# Altium PCB Goldstrike1_Rev01 - DLV.PcbDoc (part 2 of 3)
Units mm, origin at the board's own origin, x right, y up, seen from the top; angles counter-clockwise.
Board outline 170 x 260 mm, 4 copper layers (L1, L2, L3, L4), stack 1.577 mm thick; 674 components, 193 nets, 4474 pads, 0 vias.
Unrouted connection lines stored in the file: 3448.
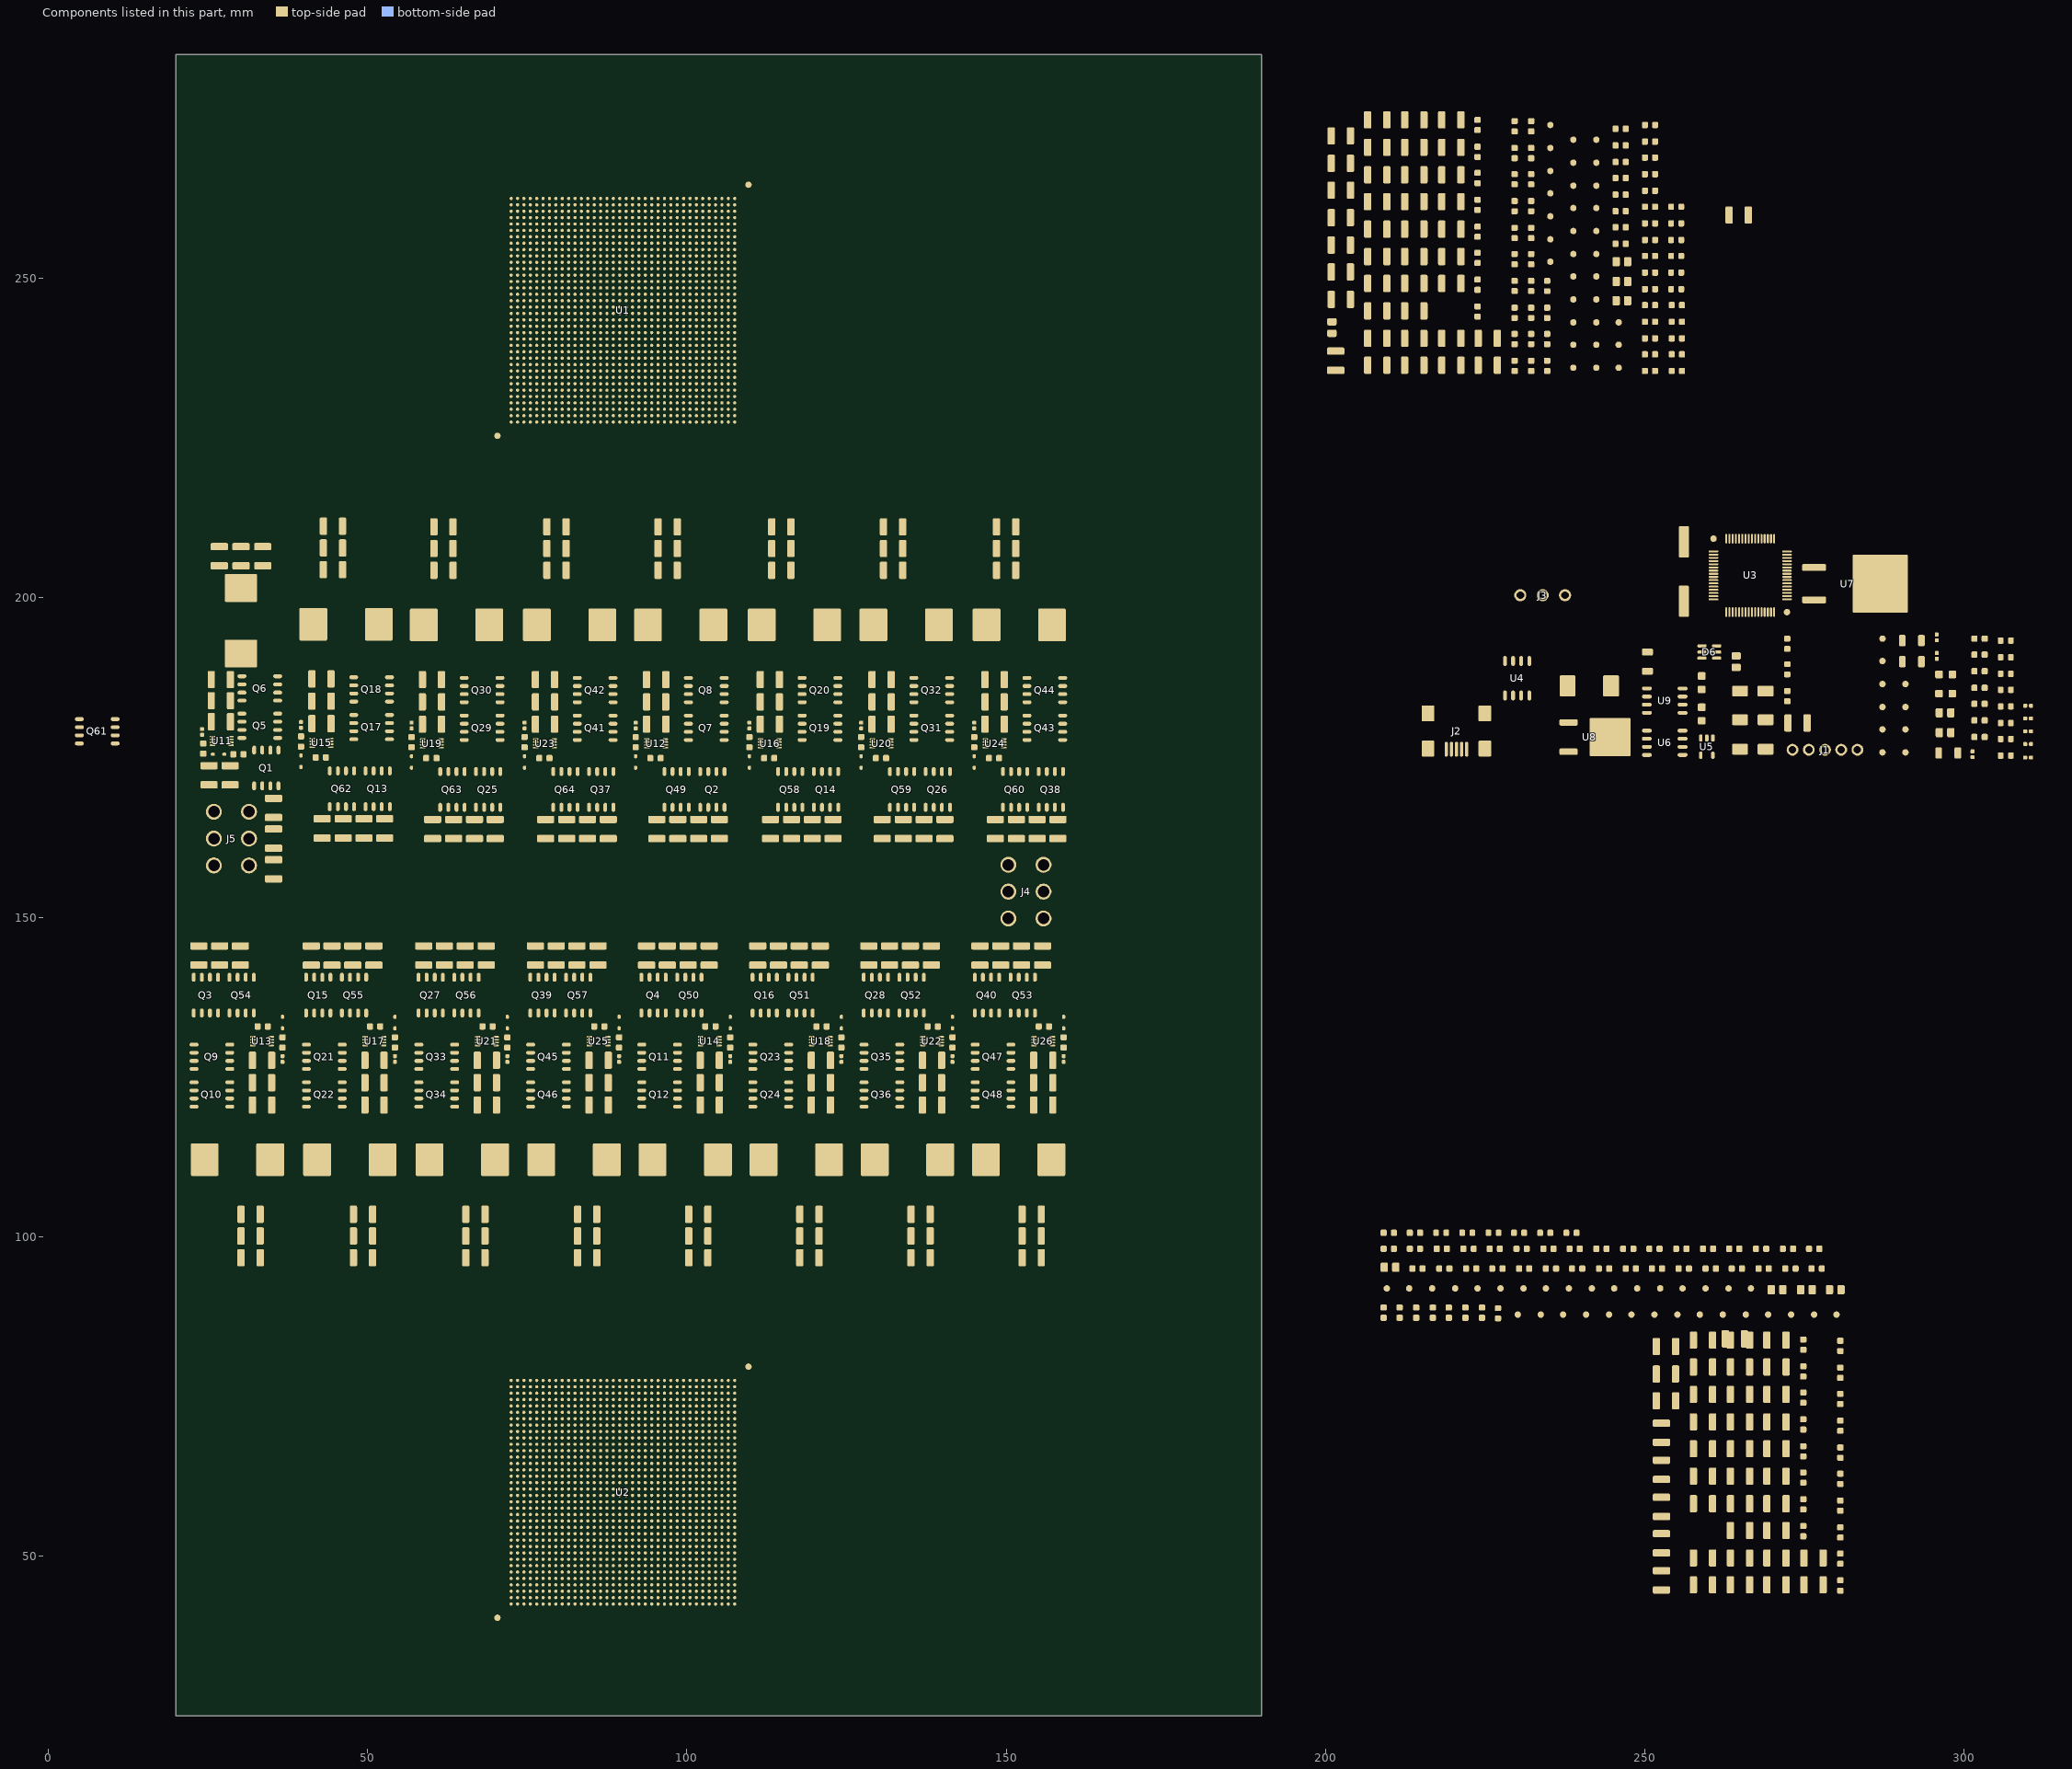
[diagram p2: the components of this part, seen from the top]

## Components (designator, comment, footprint, x,y, rotation, side; value= is the part's Value field where it differs from the comment) (continued)
Q10 "MOS_N_D1_S1S2S3G4D5D6D7D8" SMD_SOIC127P600X110-9AN 25.65,122.25 r180 top
Q11 "MOS_N_D1_S1S2S3G4D5D6D7D8" SMD_SOIC127P600X110-9AN 95.75,128.15 r180 top
Q12 "MOS_N_D1_S1S2S3G4D5D6D7D8" SMD_SOIC127P600X110-9AN 95.75,122.25 r180 top
Q13 "MOS_N_D1_S1S2S3G4D5D6D7D8" SMD_SOIC127P600X110-9AN 51.6,170.1 r270 top
Q14 "MOS_N_D1_S1S2S3G4D5D6D7D8" SMD_SOIC127P600X110-9AN 121.8,170 r270 top
Q15 "MOS_N_D1_S1S2S3G4D5D6D7D8" SMD_SOIC127P600X110-9AN 42.3,137.8 r90 top
Q16 "MOS_N_D1_S1S2S3G4D5D6D7D8" SMD_SOIC127P600X110-9AN 112.2,137.8 r90 top
Q17 "MOS_N_D1_S1S2S3G4D5D6D7D8" SMD_SOIC127P600X110-9AN 50.65,179.75 r0 top
Q18 "MOS_N_D1_S1S2S3G4D5D6D7D8" SMD_SOIC127P600X110-9AN 50.65,185.65 r0 top
Q19 "MOS_N_D1_S1S2S3G4D5D6D7D8" SMD_SOIC127P600X110-9AN 120.85,179.65 r0 top
Q20 "MOS_N_D1_S1S2S3G4D5D6D7D8" SMD_SOIC127P600X110-9AN 120.85,185.55 r0 top
Q21 "MOS_N_D1_S1S2S3G4D5D6D7D8" SMD_SOIC127P600X110-9AN 43.25,128.15 r180 top
Q22 "MOS_N_D1_S1S2S3G4D5D6D7D8" SMD_SOIC127P600X110-9AN 43.25,122.25 r180 top
Q23 "MOS_N_D1_S1S2S3G4D5D6D7D8" SMD_SOIC127P600X110-9AN 113.15,128.15 r180 top
Q24 "MOS_N_D1_S1S2S3G4D5D6D7D8" SMD_SOIC127P600X110-9AN 113.15,122.25 r180 top
Q25 "MOS_N_D1_S1S2S3G4D5D6D7D8" SMD_SOIC127P600X110-9AN 68.9,170 r270 top
Q26 "MOS_N_D1_S1S2S3G4D5D6D7D8" SMD_SOIC127P600X110-9AN 139.3,170 r270 top
Q27 "MOS_N_D1_S1S2S3G4D5D6D7D8" SMD_SOIC127P600X110-9AN 59.9,137.8 r90 top
Q28 "MOS_N_D1_S1S2S3G4D5D6D7D8" SMD_SOIC127P600X110-9AN 129.6,137.8 r90 top
Q29 "MOS_N_D1_S1S2S3G4D5D6D7D8" SMD_SOIC127P600X110-9AN 67.95,179.65 r0 top
Q30 "MOS_N_D1_S1S2S3G4D5D6D7D8" SMD_SOIC127P600X110-9AN 67.95,185.55 r0 top
Q31 "MOS_N_D1_S1S2S3G4D5D6D7D8" SMD_SOIC127P600X110-9AN 138.35,179.65 r0 top
Q32 "MOS_N_D1_S1S2S3G4D5D6D7D8" SMD_SOIC127P600X110-9AN 138.35,185.55 r0 top
Q33 "MOS_N_D1_S1S2S3G4D5D6D7D8" SMD_SOIC127P600X110-9AN 60.85,128.15 r180 top
Q34 "MOS_N_D1_S1S2S3G4D5D6D7D8" SMD_SOIC127P600X110-9AN 60.85,122.25 r180 top
Q35 "MOS_N_D1_S1S2S3G4D5D6D7D8" SMD_SOIC127P600X110-9AN 130.55,128.15 r180 top
Q36 "MOS_N_D1_S1S2S3G4D5D6D7D8" SMD_SOIC127P600X110-9AN 130.55,122.25 r180 top
Q37 "MOS_N_D1_S1S2S3G4D5D6D7D8" SMD_SOIC127P600X110-9AN 86.6,170 r270 top
Q38 "MOS_N_D1_S1S2S3G4D5D6D7D8" SMD_SOIC127P600X110-9AN 157,170 r270 top
Q39 "MOS_N_D1_S1S2S3G4D5D6D7D8" SMD_SOIC127P600X110-9AN 77.4,137.8 r90 top
Q40 "MOS_N_D1_S1S2S3G4D5D6D7D8" SMD_SOIC127P600X110-9AN 147,137.8 r90 top
Q41 "MOS_N_D1_S1S2S3G4D5D6D7D8" SMD_SOIC127P600X110-9AN 85.65,179.65 r0 top
Q42 "MOS_N_D1_S1S2S3G4D5D6D7D8" SMD_SOIC127P600X110-9AN 85.65,185.55 r0 top
Q43 "MOS_N_D1_S1S2S3G4D5D6D7D8" SMD_SOIC127P600X110-9AN 156.05,179.65 r0 top
Q44 "MOS_N_D1_S1S2S3G4D5D6D7D8" SMD_SOIC127P600X110-9AN 156.05,185.55 r0 top
Q45 "MOS_N_D1_S1S2S3G4D5D6D7D8" SMD_SOIC127P600X110-9AN 78.35,128.15 r180 top
Q46 "MOS_N_D1_S1S2S3G4D5D6D7D8" SMD_SOIC127P600X110-9AN 78.35,122.25 r180 top
Q47 "MOS_N_D1_S1S2S3G4D5D6D7D8" SMD_SOIC127P600X110-9AN 147.95,128.15 r180 top
Q48 "MOS_N_D1_S1S2S3G4D5D6D7D8" SMD_SOIC127P600X110-9AN 147.95,122.25 r180 top
Q49 "MOS_N_D1_S1S2S3G4D5D6D7D8" SMD_SOIC127P600X110-9AN 98.4,170 r270 top
Q50 "MOS_N_D1_S1S2S3G4D5D6D7D8" SMD_SOIC127P600X110-9AN 100.4,137.8 r90 top
Q51 "MOS_N_D1_S1S2S3G4D5D6D7D8" SMD_SOIC127P600X110-9AN 117.8,137.8 r90 top
Q52 "MOS_N_D1_S1S2S3G4D5D6D7D8" SMD_SOIC127P600X110-9AN 135.2,137.8 r90 top
Q53 "MOS_N_D1_S1S2S3G4D5D6D7D8" SMD_SOIC127P600X110-9AN 152.6,137.8 r90 top
Q54 "MOS_N_D1_S1S2S3G4D5D6D7D8" SMD_SOIC127P600X110-9AN 30.3,137.8 r90 top
Q55 "MOS_N_D1_S1S2S3G4D5D6D7D8" SMD_SOIC127P600X110-9AN 47.9,137.8 r90 top
Q56 "MOS_N_D1_S1S2S3G4D5D6D7D8" SMD_SOIC127P600X110-9AN 65.5,137.8 r90 top
Q57 "MOS_N_D1_S1S2S3G4D5D6D7D8" SMD_SOIC127P600X110-9AN 83,137.8 r90 top
Q58 "MOS_N_D1_S1S2S3G4D5D6D7D8" SMD_SOIC127P600X110-9AN 116.2,170 r270 top
Q59 "MOS_N_D1_S1S2S3G4D5D6D7D8" SMD_SOIC127P600X110-9AN 133.7,170 r270 top
Q60 "MOS_N_D1_S1S2S3G4D5D6D7D8" SMD_SOIC127P600X110-9AN 151.4,170 r270 top
Q61 "MOS_N_D1_S1S2S3G4D5D6D7D8" SMD_SOIC127P600X110-9AN 7.7,179.1 r180 top
Q62 "MOS_N_D1_S1S2S3G4D5D6D7D8" SMD_SOIC127P600X110-9AN 46,170.1 r270 top
Q63 "MOS_N_D1_S1S2S3G4D5D6D7D8" SMD_SOIC127P600X110-9AN 63.3,170 r270 top
Q64 "MOS_N_D1_S1S2S3G4D5D6D7D8" SMD_SOIC127P600X110-9AN 81,170 r270 top
R1 "R" SMD_0603_RESC1608X55N 230.3,100.6 r0 top
R2 "R" SMD_0603_RESC1608X55N 222.2,100.6 r0 top
R3 "R" SMD_0603_RESC1608X55N 254.9,258.6 r0 top
R4 "R" SMD_0603_RESC1608X55N 306.5,188.1 r0 top
R5 "R" SMD_0603_RESC1608X55N 272.3,192.8 r270 top
R6 "R" SMD_0603_RESC1608X55N 306.5,177.9 r0 top
R9 "R" SMD_0603_RESC1608X55N 306.5,190.7 r0 top
R10 "R" SMD_0603_RESC1608X55N 306.5,183 r0 top
R11 "R" SMD_0603_RESC1608X55N 306.5,193.3 r0 top
R12 "R" SMD_1206_RESC3216X65N 291.8,190 r0 top
R13 "R" SMD_1206_RESC3216X65N 250.4,190 r90 top
R14 "R" SMD_1206_RESC3216X65N 291.8,193.3 r0 top
R15 "R" SMD_1206_RESC3216X65N 297.5,175.7 r180 top
R16 "R" SMD_0603_RESC1608X55N 306.5,175.3 r0 top
R17 "R" SMD_0603_RESC1608X55N 306.5,185.6 r180 top
R20 "R" SMD_0603_RESC1608X55N 254.9,261.2 r0 top
R21 "R" SMD_0603_RESC1608X55N 306.5,180.4 r180 top
R22 "R" SMD_0603_RESC1608X55N 254.9,248.3 r180 top
R23 "R" SMD_0603_RESC1608X55N 227,88 r270 top
R26 "R" SMD_0603_RESC1608X55N 272.3,188.8 r270 top
R27 "R" SMD_0603_RESC1608X55N 254.9,256 r0 top
R28 "R" SMD_0603_RESC1608X55N 254.9,253.5 r0 top
R29 "R" SMD_0603_RESC1608X55N 254.9,250.9 r0 top
R30 "R" SMD_0603_RESC1608X55N 234.7,248.8 r270 top
R31 "R" SMD_0603_RESC1608X55N 234.4,100.6 r0 top
R32 "R" SMD_0603_RESC1608X55N 226.3,100.6 r180 top
R33 "R" SMD_0603_RESC1608X55N 238.5,100.6 r180 top
R34 "R" SMD_0603_RESC1608X55N 218.1,100.6 r0 top
TP2 "TEST_POINT_1" SMD_TP_100-254 290.8,182.9 r0 top
TP3 "TEST_POINT_1" SMD_TP_100-254 290.8,179.4 r0 top
TP5 "TEST_POINT_1" SMD_TP_100-254 290.8,175.8 r0 top
TP6 "TEST_POINT_1" SMD_TP_100-254 287.2,193.6 r0 top
TP7 "TEST_POINT_1" SMD_TP_100-254 287.2,190.1 r0 top
TP10 "TEST_POINT_1" SMD_TP_100-254 287.2,179.4 r0 top
TP11 "TEST_POINT_1" SMD_TP_100-254 287.2,182.9 r0 top
TP12 "TEST_POINT_1" SMD_TP_100-254 287.2,175.8 r0 top
TP13 "TEST_POINT_1" SMD_TP_100-254 290.8,186.5 r0 top
TP21 "TEST_POINT_1" SMD_TP_100-254 287.2,186.5 r0 top
TP22 "TEST_POINT_1" SMD_TP_100-254 245.9,236 r0 top
TP23 "TEST_POINT_1" SMD_TP_100-254 235.2,252.6 r0 top
TP24 "TEST_POINT_1" SMD_TP_100-254 235.2,259.7 r0 top
TP25 "TEST_POINT_1" SMD_TP_100-254 235.2,266.8 r0 top
TP26 "TEST_POINT_1" SMD_TP_100-254 238.8,239.6 r0 top
TP27 "TEST_POINT_1" SMD_TP_100-254 235.2,256.1 r0 top
TP28 "TEST_POINT_1" SMD_TP_100-254 235.2,263.3 r0 top
TP29 "TEST_POINT_1" SMD_TP_100-254 235.2,270.4 r0 top
TP30 "TEST_POINT_1" SMD_TP_100-254 231,91.9 r0 top
TP31 "TEST_POINT_1" SMD_TP_100-254 238.1,91.9 r0 top
TP32 "TEST_POINT_1" SMD_TP_100-254 245.2,91.9 r0 top
TP33 "TEST_POINT_1" SMD_TP_100-254 252.4,91.9 r0 top
TP34 "TEST_POINT_1" SMD_TP_100-254 234.5,91.9 r0 top
TP35 "TEST_POINT_1" SMD_TP_100-254 241.7,91.9 r0 top
TP36 "TEST_POINT_1" SMD_TP_100-254 248.8,91.9 r0 top
TP37 "TEST_POINT_1" SMD_TP_100-254 223.8,91.9 r0 top
TP38 "TEST_POINT_1" SMD_TP_100-254 235.2,274 r0 top
TP39 "TEST_POINT_1" SMD_TP_100-254 238.8,246.7 r0 top
TP40 "TEST_POINT_1" SMD_TP_100-254 242.4,239.6 r0 top
TP41 "TEST_POINT_1" SMD_TP_100-254 242.4,253.8 r0 top
TP42 "TEST_POINT_1" SMD_TP_100-254 238.8,236 r0 top
TP43 "TEST_POINT_1" SMD_TP_100-254 238.8,253.8 r0 top
TP44 "TEST_POINT_1" SMD_TP_100-254 242.4,243.1 r0 top
TP45 "TEST_POINT_1" SMD_TP_100-254 242.4,257.4 r0 top
TP46 "TEST_POINT_1" SMD_TP_100-254 238.8,243.1 r0 top
TP47 "TEST_POINT_1" SMD_TP_100-254 238.8,268.1 r0 top
TP48 "TEST_POINT_1" SMD_TP_100-254 242.4,250.3 r0 top
TP49 "TEST_POINT_1" SMD_TP_100-254 242.4,264.5 r0 top
TP50 "TEST_POINT_1" SMD_TP_100-254 242.4,236 r0 top
TP51 "TEST_POINT_1" SMD_TP_100-254 238.8,261 r0 top
TP52 "TEST_POINT_1" SMD_TP_100-254 242.4,246.7 r0 top
TP53 "TEST_POINT_1" SMD_TP_100-254 242.4,261 r0 top
TP54 "TEST_POINT_1" SMD_TP_100-254 255.9,91.9 r0 top
TP55 "TEST_POINT_1" SMD_TP_100-254 266.6,91.9 r0 top
TP56 "TEST_POINT_1" SMD_TP_100-254 276.5,87.8 r0 top
TP57 "TEST_POINT_1" SMD_TP_100-254 262.2,87.8 r0 top
TP58 "TEST_POINT_1" SMD_TP_100-254 259.5,91.9 r0 top
TP59 "TEST_POINT_1" SMD_TP_100-254 213.1,91.9 r0 top
TP60 "TEST_POINT_1" SMD_TP_100-254 272.9,87.8 r0 top
TP61 "TEST_POINT_1" SMD_TP_100-254 258.6,87.8 r0 top
TP62 "TEST_POINT_1" SMD_TP_100-254 220.3,91.9 r0 top
TP63 "TEST_POINT_1" SMD_TP_100-254 280,87.8 r0 top
TP64 "TEST_POINT_1" SMD_TP_100-254 265.8,87.8 r0 top
TP65 "TEST_POINT_1" SMD_TP_100-254 251.5,87.8 r0 top
TP66 "TEST_POINT_1" SMD_TP_100-254 263.1,91.9 r0 top
TP67 "TEST_POINT_1" SMD_TP_100-254 209.6,91.9 r0 top
TP68 "TEST_POINT_1" SMD_TP_100-254 269.3,87.8 r0 top
TP69 "TEST_POINT_1" SMD_TP_100-254 255.1,87.8 r0 top
TP70 "TEST_POINT_1" SMD_TP_100-254 242.4,268.1 r0 top
TP71 "TEST_POINT_1" SMD_TP_100-254 242.4,271.7 r0 top
TP72 "TEST_POINT_1" SMD_TP_100-254 245.9,239.6 r0 top
TP73 "TEST_POINT_1" SMD_TP_100-254 245.9,243.1 r0 top
TP74 "TEST_POINT_1" SMD_TP_100-254 247.9,87.8 r0 top
TP75 "TEST_POINT_1" SMD_TP_100-254 240.8,87.8 r0 top
TP76 "TEST_POINT_1" SMD_TP_100-254 237.2,87.8 r0 top
TP77 "TEST_POINT_1" SMD_TP_100-254 233.7,87.8 r0 top
TP78 "TEST_POINT_1" SMD_TP_100-254 238.8,250.3 r0 top
TP79 "TEST_POINT_1" SMD_TP_100-254 238.8,257.4 r0 top
TP80 "TEST_POINT_1" SMD_TP_100-254 238.8,264.5 r0 top
TP81 "TEST_POINT_1" SMD_TP_100-254 238.8,271.7 r0 top
TP82 "TEST_POINT_1" SMD_TP_100-254 227.4,91.9 r0 top
TP83 "TEST_POINT_1" SMD_TP_100-254 244.4,87.8 r0 top
TP84 "TEST_POINT_1" SMD_TP_100-254 230.1,87.8 r0 top
TP85 "TEST_POINT_1" SMD_TP_100-254 216.7,91.9 r0 top
U1 "Goldstrike1" SMD_BGA1296C100P36X36 90,245 r0 top
U2 "Goldstrike1" SMD_BGA1296C100P36X36 90,60 r0 top
U3 "IC_DSPIC33EP256MU806-QFN64" SMD_QFP50P1200X1200X120-64N 266.5,203.5 r90 top
U4 "(OPT) LM7805" SMD_SOIC127P600X175-8N 230,187.4 r90 top
U5 "IC_TLV70033QDDCRQ1" SMD_SOT95P280X135-5N 259.7,176.7 r270 top
U6 "IC_BDXXKA5WF" SMD_SOIC127P620X160-8N 253.1,177.3 r180 top
U7 "IC_IN1OUT3GND4" SMD_TO254P1542X460-3_4N 282.9,202.2 r0 top
U8 "IC_VIN1GND4VOUT3" SMD_TO229P991X239-4N_DPAK 242.2,178.2 r0 top
U9 "IC_BD00KA5WF" SMD_SOIC127P620X160-8N 253.1,183.9 r0 top
U11 "IC_LTC4449" SMD_SON45P300X200X80-9N 27.2,177.6 r180 top
U12 "IC_LTC4449" SMD_SON45P300X200X80-9N 95.2,177.2 r180 top
U13 "IC_LTC4449" SMD_SON45P300X200X80-9N 33.5,130.6 r0 top
U14 "IC_LTC4449" SMD_SON45P300X200X80-9N 103.6,130.6 r0 top
U15 "IC_LTC4449" SMD_SON45P300X200X80-9N 42.8,177.3 r180 top
U16 "IC_LTC4449" SMD_SON45P300X200X80-9N 113,177.2 r180 top
U17 "IC_LTC4449" SMD_SON45P300X200X80-9N 51.1,130.6 r0 top
U18 "IC_LTC4449" SMD_SON45P300X200X80-9N 121,130.6 r0 top
U19 "IC_LTC4449" SMD_SON45P300X200X80-9N 60.1,177.2 r180 top
U20 "IC_LTC4449" SMD_SON45P300X200X80-9N 130.5,177.2 r180 top
U21 "IC_LTC4449" SMD_SON45P300X200X80-9N 68.7,130.6 r0 top
U22 "IC_LTC4449" SMD_SON45P300X200X80-9N 138.4,130.6 r0 top
U23 "IC_LTC4449" SMD_SON45P300X200X80-9N 77.8,177.2 r180 top
U24 "IC_LTC4449" SMD_SON45P300X200X80-9N 148.2,177.2 r180 top
U25 "IC_LTC4449" SMD_SON45P300X200X80-9N 86.2,130.6 r0 top
U26 "IC_LTC4449" SMD_SON45P300X200X80-9N 155.8,130.6 r0 top
Y1 "XTAL" SMD_HC49_XTAL1140X480X420N 256.1,204.1 r90 top
